# KiCad board slime88.kicad_pcb (continued)
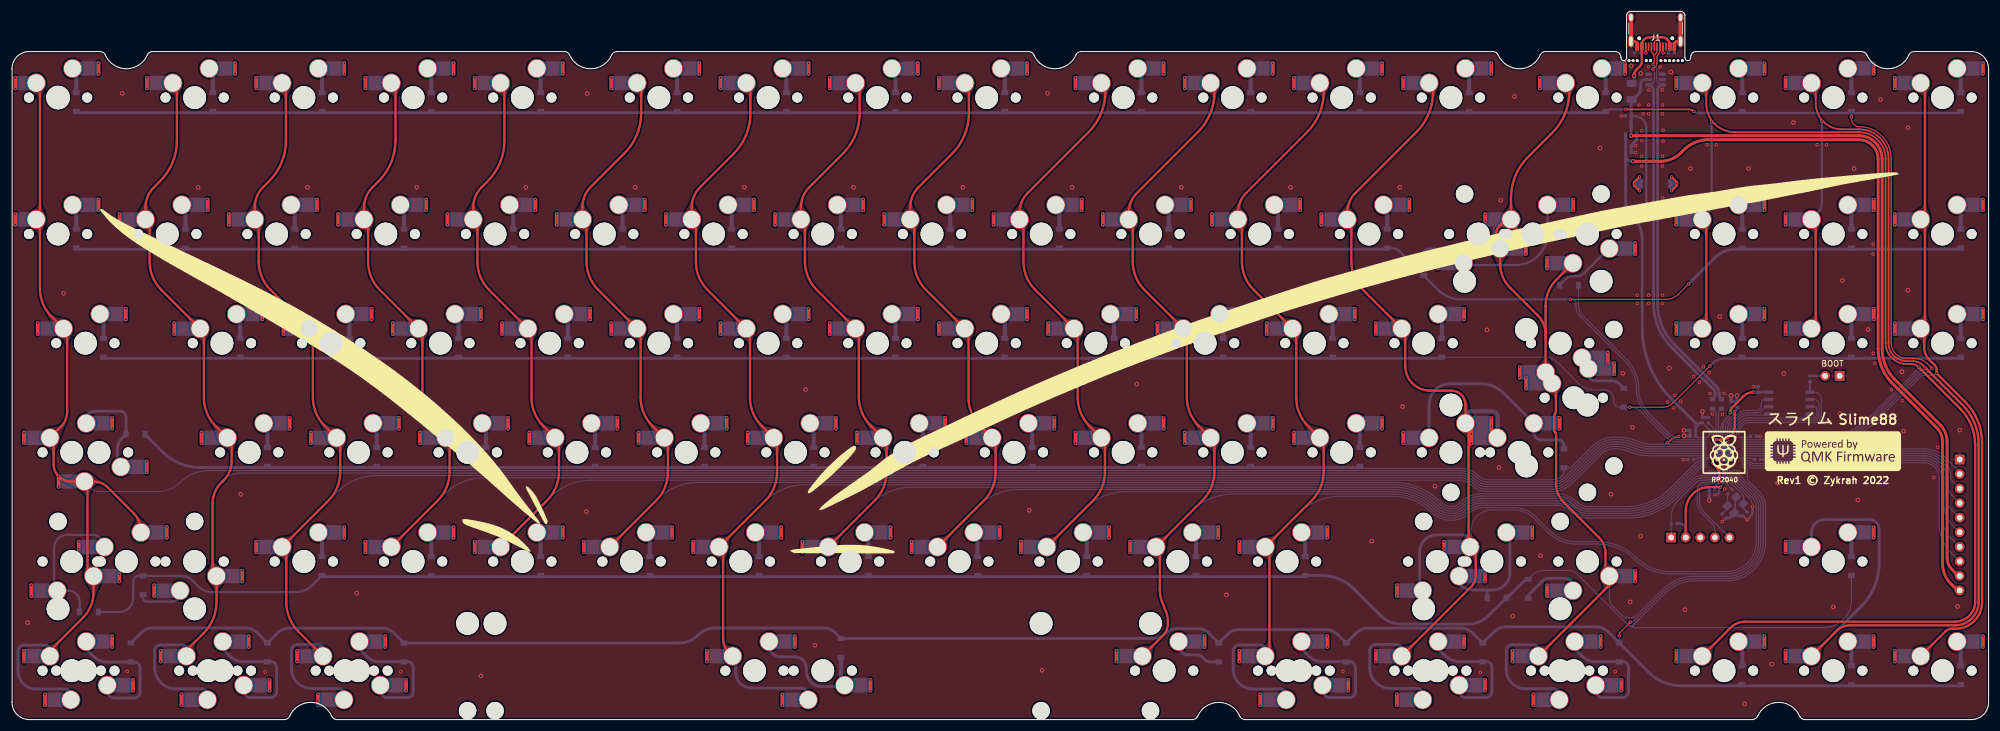
[diagram p0: board, top side]
## Routing (per net, layer and track width the routed paths; a pad name or vN(x,y) marks a point on that pad's centre or on a via; arc(x,y) is an arc through that point) (continued)
COL16: length 156.8
  Top w0.4: SW104.1 337.1,15.34 arc(337.65,15.71) 338.31,15.84 338.88,15.84 arc(342.17,17.2) 343.53,20.49 343.53,48.32 arc(342.77,52.17) 340.58,55.44 v1(335.62,60.4) 335.62,61.1 arc(335.55,61.48) 335.33,61.8 334.32,62.82 arc(333.67,63.78) 333.44,64.93 333.44,67.6 SW54.1 333.57,68.96 333.57,87.29 ; 333.57,87.29 333.57,110.33 SW17.1 ; 333.57,87.29 332.85,87.29 332.83,87.27
  Top w0.6: v1(328.31,112.02) v1(328.31,110.14) ; v1(328.31,69.16) v1(328.31,67.28) ; v1(328.31,88.2) v1(328.31,86.33) ; v1(328.31,12) v1(328.31,10.12)
  Bottom w0.2: U2.5 314.21,47.62 arc(320.09,48.79) 325.07,52.12 332.71,59.77 arc(333.05,59.99) 333.44,60.07 334.83,60.07 arc(335.26,60.16) v1(335.62,60.4)
CS: length 23.5
  Bottom w0.2: U2.56 301.14,50.45 arc(301.19,50.69) 301.32,50.9 301.84,51.42 arc(302.29,51.72) 302.81,51.82 314.28,51.82 arc(315.14,52.18) 315.5,53.05 315.5,55.93 arc(315.15,56.77) 314.31,57.12 U4.1
  Bottom w0.4: R5.2 313.5,58.93 U4.1
DBUS+: length 69.2
  Top w0.15: 286.38,114.9 286.38,115.08
  Top w0.2: J1.A6 286.88,116.69 arc(286.85,116.51) 286.77,116.35 286.58,116.16 arc(286.43,115.94) 286.38,115.69 ; J1.B6 285.88,116.71 arc(285.93,116.48) 286.06,116.28 286.19,116.15 arc(286.33,115.94) 286.38,115.69 ; 286.38,115.08 286.38,115.69 ; v1(286.13,114.31) arc(286.32,114.58) 286.38,114.9
  Bottom w0.2: U3.3 287.41,110.73 286.99,111.15 arc(286.85,111.35) 286.81,111.59 286.81,113.38 arc(286.75,113.66) 286.59,113.91 286.19,114.31 v1(286.13,114.31)
  Bottom w0.5: U3.3 287.5,110.73 287.24,110.46 arc(287.02,110.14) 286.94,109.75 286.94,72.61 arc(287.72,68.69) 289.94,65.37 297.23,58.09 arc(297.56,57.59) 297.67,57 297.67,56.74 arc(297.75,56.36) 297.97,56.04 R2.1
DBUS-: length 70
  Top w0.15: 286.84,114.9 286.84,115.08
  Top w0.2: 286.84,114.9 286.84,114.49 arc(286.77,114.18) 286.6,113.92 286.19,113.51 v1(286.13,113.51) ; J1.A7 286.38,118.09 arc(286.51,118.4) 286.82,118.53 286.93,118.53 arc(287.25,118.4) 287.38,118.08 J1.B7 287.38,116.89 arc(287.28,116.4) 287.01,115.99 arc(286.88,115.8) 286.84,115.57 286.84,115.08
  Bottom w0.2: U3.4 285.78,110.73 286.22,111.18 arc(286.35,111.37) 286.39,111.59 286.39,112.88 arc(286.33,113.22) v1(286.13,113.51)
  Bottom w0.5: R3.1 296.68,56.07 arc(296.9,56.39) 296.97,56.78 296.97,56.93 arc(296.9,57.32) 296.68,57.64 289.39,64.93 arc(287.06,68.42) 286.25,72.53 286.25,109.74 arc(286.17,110.13) 285.95,110.45 285.68,110.73 U3.4
GPIO4: length 39.5
  Bottom w0.2: J4.2 339.63,43.21 337.05,45.79 arc(335.46,46.85) 333.59,47.23 U2.6
GPIO5: length 41.3
  Bottom w0.2: J4.3 338.38,41.55 arc(338.15,41.9) 338.06,42.31 arc(336.74,45.5) 333.55,46.83 U2.7
GPIO6: length 43.3
  Bottom w0.2: U2.8 333.51,46.42 arc(336.45,45.21) 337.67,42.27 337.67,40.66 arc(337.84,39.8) 338.33,39.07 J4.4
GPIO7: length 45.3
  Bottom w0.2: J4.5 338.27,36.58 arc(337.53,37.7) 337.27,39.01 337.27,42.23 arc(336.15,44.91) 333.47,46.03 U2.9
GPIO8: length 47.7
  Bottom w0.2: U2.11 302.38,45.22 arc(302.88,45.13) 303.3,44.84 arc(303.49,44.71) 303.72,44.67 305.69,44.67 arc(305.93,44.72) 306.14,44.86 306.4,45.12 arc(306.96,45.49) 307.62,45.62 333.44,45.62 arc(335.86,44.62) 336.87,42.2 336.87,37.62 arc(337.26,35.61) 338.4,33.91 J4.6
GPIO9: length 49.8
  Bottom w0.2: J4.7 338.21,31.56 arc(336.92,33.5) 336.47,35.78 336.47,42.17 arc(335.57,44.33) 333.41,45.22 307.61,45.22 arc(307.14,45.13) 306.75,44.86 306.46,44.57 arc(306.12,44.35) 305.73,44.27 303.67,44.27 arc(303.33,44.34) 303.04,44.53 303.01,44.56 arc(302.72,44.76) 302.37,44.83 301.98,44.83
GPIO10: length 51.8
  Bottom w0.2: U2.13 302.36,44.43 arc(302.56,44.38) 302.73,44.27 302.77,44.23 arc(303.17,43.96) 303.65,43.87 305.75,43.87 arc(306.28,43.97) 306.73,44.27 307.05,44.59 arc(307.3,44.76) 307.59,44.82 333.39,44.82 arc(335.28,44.04) 336.06,42.15 336.06,34.07 arc(336.6,31.39) 338.12,29.11 J4.8
QSPI_CLK: length 9.2
  Bottom w0.2: U2.52 299.54,50.49 arc(299.71,51.34) 300.19,52.06 300.87,52.75 arc(301.73,53.32) 302.74,53.52 304.26,53.52 arc(304.64,53.6) 304.97,53.81 305.74,54.59 U4.6
ROW0: length 420.7
  Top w0.2: v1(320.77,105.2) 320.77,105.2 320.77,104.73 arc(321.21,103.83) 322.15,103.46 arc(326.06,101.84) 327.69,97.92 327.69,65.75 arc(328.48,63.83) 330.41,63.03 331.73,63.03 arc(332.97,62.78) 334.01,62.08 v1(334.78,61.31)
  Top w0.3: v1(281.4,106.48) 292.41,106.48 arc(292.87,106.39) v1(293.25,106.13)
  Bottom w0.2: 339.67,105.95 D17.1 ; D15.1 301.86,105.95 ; v1(334.78,61.31) 334.16,60.68 arc(333.96,60.55) 333.72,60.5 333.31,60.5 arc(332.91,60.42) 332.56,60.19 324.79,52.42 arc(319.93,49.17) 314.19,48.03 U2.4
  Bottom w0.4: v1(281.4,106.48) 278.7,106.48 arc(278.32,106.4) 277.99,106.18 D14.1 ; 339.67,105.95 339.57,105.85 301.96,105.85 301.86,105.95 ; D15.1 301.47,105.85 293.93,105.85 arc(293.57,105.92) v1(293.25,106.13)
  Bottom w0.5: 301.63,106.01 D15.1 ; D16.1 320.77,106.09 v1(320.77,105.2) ; D1.1 11.4,105.9 277.7,105.9 D14.1 277.99,106.01
ROW1: length 372.6
  Top w0.2: v1(271.75,73.33) 288.44,73.33 arc(289.59,73.56) 290.56,74.21 v1(292.4,76.04)
  Bottom w0.2: U2.41 290.56,48.83 arc(289.56,49.02) 288.72,49.59 285.13,53.17 arc(283.74,55.25) 283.25,57.7 arc(282.74,60.31) 281.26,62.53 273.53,70.26 arc(272.93,71.14) 272.73,72.19 272.73,72.55 arc(272.5,73.1) 271.95,73.33 v1(271.75,73.33)
  Bottom w0.4: v1(271.75,73.33) 252.57,73.33 arc(250.51,73.74) 248.76,74.9 D31.1 242.01,81.66 arc(241.32,82.12) 240.51,82.28 D30.1
  Bottom w0.5: D35.1 339.62,82.09 301.91,82.09 D33.1 301.52,82.09 300.61,82.09 arc(298.61,81.69) 296.91,80.55 v1(292.4,76.04) ; D30.1 239.61,82.09 11.39,82.09 D18.1
ROW2: length 346.9
  Top w0.2: v1(296.07,61.69) 289.57,55.18 arc(288.81,54.68) 287.92,54.5 v1(282.08,54.5)
  Bottom w0.2: D48.1 267.51,63.23 arc(268.5,63.04) 269.33,62.48 273.16,58.65 arc(274.39,57.83) 275.84,57.54 277.68,57.54 arc(278.84,57.06) 279.31,55.9 279.31,55.5 arc(279.61,54.79) 280.31,54.5 D49.1 v1(282.08,54.5) 282.39,54.5 arc(283.16,54.35) 283.81,53.91 288.43,49.29 arc(289.39,48.65) 290.52,48.42 U2.40
  Bottom w0.4: v1(296.07,61.69) 296.5,62.11 arc(297.47,62.76) 298.62,62.99 301.47,62.99 D50.1
  Bottom w0.5: D52.1 339.62,63.04 301.91,63.04 D50.1 ; D48.1 249.13,63.04 16.16,63.04 D36.1
ROW3: length 316.5
  Top w0.2: v1(288.65,48.34) 288.83,48.34 289.46,48.97 arc(289.86,49.21) 290.31,49.32 290.52,49.32 v1(290.62,49.43)
  Bottom w0.2: U2.39 289.54,48.03 ; 289.54,48.03 289.4,48.03 arc(288.99,48.11) v1(288.65,48.34) arc(288.3,48.11) 287.89,48.03 287.78,48.03 ; 289.54,48.03 287.78,48.03 ; 287.78,48.03 286.04,48.03 arc(285.07,48.11) 284.12,48.34 282.7,48.84 arc(281.42,49.16) 280.12,49.27 279.31,49.27 arc(277.3,48.87) 275.6,47.73 272.08,44.21 arc(271.76,44) 271.37,43.92 D65.1 270.62,43.18 arc(270.56,42.85) 270.37,42.56 arc(269.57,42.03) 268.62,41.84 257.36,41.84 arc(256.49,42.01) 255.74,42.51 arc(254.27,43.49) 252.54,43.84 235.38,43.84 D64.1 ; D32.1 273.16,72.22 arc(273.34,71.28) 273.87,70.49 281.53,62.83 arc(283.1,60.48) 283.66,57.7 arc(284.11,55.41) 285.41,53.46 288.97,49.9 arc(289.64,49.45) 290.43,49.3 290.5,49.3 v1(290.62,49.43)
  Bottom w0.5: 235.23,43.99 D64.1 234.84,43.99 44.73,43.99 D54.1 44.34,43.99 32.71,43.99 arc(29.27,44.67) 26.35,46.62 D53.1
ROW4: length 379
  Bottom w0.2: 282.71,16.3 282.71,16.35 arc(282.73,16.46) 282.79,16.55 283.73,17.49 ; 282.71,16.3 282.67,16.26 282.34,16.26 arc(282.04,16.34) 281.79,16.52 ; 282.71,16.3 arc(282.72,16.21) 282.77,16.15 282.8,16.11 arc(282.88,16.06) 282.98,16.04 283.17,16.04 ; D80.1 320.76,20.84 arc(320.4,19.02) 319.37,17.49 arc(317.77,16.41) 315.88,16.04 283.17,16.04 ; 281.64,16.67 281.79,16.52 ; 281.64,16.67 281.71,16.61 arc(282.28,16.37) 282.84,16.61 283.73,17.49 ; 281.64,16.67 272.97,25.34 arc(272.22,25.84) 271.34,26.02 266.98,26.02 arc(266.04,25.83) 265.24,25.3 D79.1 ; 281.79,16.52 arc(282.33,16.16) 282.96,16.04 283.17,16.04 ; 283.73,17.49 288.34,22.1 arc(290.67,23.66) 293.41,24.2 299.01,24.2 arc(303.79,26.18) 305.77,30.96 305.77,37.13 arc(305.48,38.57) 304.66,39.79 302.99,41.46 arc(302.71,41.89) 302.61,42.39 302.61,43.68 arc(302.5,43.92) 302.26,44.03 U2.14
  Bottom w0.4: D66.1 18.73,18.78 arc(20.42,19.48) 21.12,21.17 21.12,24.08 arc(21.42,24.78) 22.12,25.08 D67.1 29.54,25.08 arc(30.55,24.88) 31.41,24.3 32.56,23.16 arc(33.56,22.48) 34.75,22.25 49.43,22.25 arc(51.05,22.57) 52.41,23.48 D68.1
  Bottom w0.5: 54.01,25.08 D68.1 54.26,24.94 225.32,24.94 D77.1 228.41,25.13 arc(231.42,24.53) 233.98,22.82 238.68,18.12 arc(240.3,17.04) 242.22,16.66 253.92,16.66 arc(255.84,17.04) 257.46,18.12 D78.1 260.72,21.22 263.96,24.46 D79.1
ROW5: length 382.1
  Top w0.2: v1(282.2,17.01) 280.52,15.33 arc(280.35,15.06) 280.28,14.75 v1(280.28,14.65)
  Bottom w0.2: v1(280.28,14.65) 280.28,14.65 D88.1 ; U2.15 301.14,42.87 arc(301.16,42.76) 301.23,42.66 304.35,39.53 arc(305.1,38.41) 305.37,37.09 305.37,32.06 305.35,32.05 305.35,30.96 arc(303.49,26.46) 298.99,24.6 293.36,24.6 arc(290.5,24.03) 288.07,22.41 283,17.34 arc(282.63,17.1) v1(282.2,17.01)
  Bottom w0.5: D81.1 22.48,15.1 arc(23.45,15.75) 24.6,15.98 40.66,15.98 arc(41.81,15.75) 42.79,15.1 D82.1 46.27,15.08 arc(47.24,15.73) 48.39,15.96 64.5,15.96 arc(65.65,15.73) 66.62,15.08 D83.1 116.28,13.35 arc(118.07,13.71) 119.59,14.72 arc(120.98,15.65) 122.63,15.98 141.47,15.98 arc(142.62,15.75) 143.59,15.1 D84.1 198.85,14.14 arc(200.16,14.4) 201.27,15.15 201.28,15.15 arc(202.07,15.68) 203.01,15.87 206.89,15.87 arc(207.84,15.68) 208.64,15.14 D85.1 211.91,14.83 arc(212.88,15.48) 214.03,15.7 229.06,15.7 arc(230.21,15.48) 231.18,14.83 D86.1 234.39,15.08 arc(235.36,15.73) 236.51,15.96 252.62,15.96 arc(253.77,15.73) 254.74,15.08 D87.1 258.42,15.3 arc(259.39,15.95) 260.54,16.18 276.21,16.18 arc(277.36,15.95) 278.33,15.3 D88.1 285.4,8.23 arc(288,6.5) 291.06,5.89 301.52,5.89 D89.1 301.91,5.89 339.62,5.89 D91.1
SD0: length 8.2
  Bottom w0.2: U4.5 306.1,53.11 302.74,53.11 arc(301.88,52.94) 301.14,52.45 300.48,51.78 arc(300.08,51.18) 299.94,50.48 U2.53
SD1: length 20.1
  Bottom w0.2: U2.55 300.74,50.46 arc(300.82,50.85) 301.04,51.18 301.58,51.72 arc(302.14,52.1) 302.8,52.23 314.2,52.23 arc(314.84,52.49) 315.1,53.13 315.1,55.04 arc(314.86,55.62) 314.29,55.86 U4.2
SD2: length 18.6
  Bottom w0.2: U4.3 314.32,54.59 arc(314.59,54.47) 314.7,54.2 314.7,53.19 arc(314.54,52.8) 314.16,52.64 302.77,52.64 arc(301.99,52.48) 301.33,52.04 300.75,51.46 arc(300.44,51.01) 300.34,50.47 U2.54
SD3: length 10.7
  Bottom w0.2: U4.7 305.61,55.86 arc(305.21,55.69) 305.04,55.29 305.04,54.82 arc(304.79,54.2) 304.16,53.94 302.67,53.94 arc(301.58,53.72) 300.66,53.11 299.91,52.36 arc(299.34,51.5) 299.14,50.49 U2.51
SWCLK: length 15.5
  Bottom w0.2: J2.5 295.08,36.17 arc(294.47,37.08) 294.25,38.15 294.25,39.97 arc(294.55,40.67) 295.25,40.97 295.71,40.97 arc(297,41.5) 297.54,42.8 U2.24
SWD: length 14.6
  Bottom w0.2: J2.4 296.99,31.83 296.99,32.72 arc(296.82,33.61) 296.32,34.36 294.8,35.88 arc(294.1,36.92) 293.85,38.15 293.85,39.99 arc(294.26,40.96) 295.24,41.37 295.7,41.37 arc(296.72,41.79) 297.14,42.8 U2.25
XTAL_IN: length 8.4
  Bottom w0.2: C15.2 301.86,36.88 Y1.3 301.98,37.76 301.98,38.73 arc(301.93,39.02) 301.77,39.26 299.75,41.27 arc(299.3,41.95) 299.14,42.75 U2.20
XTAL_OUT: length 3.4
  Bottom w0.2: U2.21 298.74,42.52 arc(298.95,41.43) 299.57,40.5 R4.2
~{RESET}: length 15.4
  Bottom w0.2: J2.1 289.31,34.18 R1.2 289.32,35.21 arc(289.66,36.91) 290.62,38.35 293.64,41.37 arc(294.08,41.66) 294.6,41.77 295.7,41.77 arc(296.43,42.07) 296.74,42.81 U2.26
Net-(D1-Pad2): length 6.4
  Top w0.6: v1(15.08,114.56) v1(15.08,112.68)
  Bottom w0.7: D1.2 11.2,112.98 SW1.2
Net-(D2-Pad2): length 6.4
  Top w0.6: v1(38.89,114.56) v1(38.89,112.68)
  Bottom w0.7: SW2.2 35.01,112.98 D2.2
Net-(D3-Pad2): length 6.4
  Top w0.6: v1(57.95,114.56) v1(57.95,112.68)
  Bottom w0.7: SW3.2 54.06,112.98 D3.2
Net-(D4-Pad2): length 6.4
  Top w0.6: v1(77,114.56) v1(77,112.68)
  Bottom w0.7: SW4.2 73.11,112.98 D4.2
Net-(D5-Pad2): length 6.4
  Top w0.6: v1(96.05,114.56) v1(96.05,112.68)
  Bottom w0.7: D5.2 92.16,112.98 SW5.2
Net-(D6-Pad2): length 6.4
  Top w0.6: v1(119.86,114.56) v1(119.86,112.68)
  Bottom w0.7: 115.98,109.33 115.98,112.92 115.34,113.56
Net-(D7-Pad2): length 6.4
  Top w0.6: v1(138.91,114.56) v1(138.91,112.68)
  Bottom w0.7: 134.39,113.56 135.02,112.92 135.02,109.33
Net-(D8-Pad2): length 6.4
  Top w0.6: v1(157.96,114.56) v1(157.96,112.68)
  Bottom w0.7: 154.07,109.33 154.07,112.92 153.44,113.56
Net-(D9-Pad2): length 6.4
  Top w0.6: v1(177.01,114.56) v1(177.01,112.68)
  Bottom w0.7: 173.12,109.33 173.12,112.92 172.49,113.56
Net-(D10-Pad2): length 6.4
  Top w0.6: v1(200.82,114.56) v1(200.82,112.68)
  Bottom w0.7: 196.3,113.56 196.94,112.92 196.94,109.33
Net-(D11-Pad2): length 6.4
  Top w0.6: v1(219.87,114.56) v1(219.87,112.68)
  Bottom w0.7: 215.35,113.56 215.99,112.92 215.99,109.33
Net-(D12-Pad2): length 6.4
  Top w0.6: v1(238.92,114.56) v1(238.92,112.68)
  Bottom w0.7: 234.4,113.56 235.04,112.92 235.04,109.33
Net-(D13-Pad2): length 6.4
  Top w0.6: v1(257.97,114.56) v1(257.97,112.68)
  Bottom w0.7: 254.09,109.33 254.09,112.92 253.45,113.56
Net-(D14-Pad2): length 6.4
  Top w0.6: v1(281.29,114.56) v1(281.29,112.68)
  Bottom w0.7: SW14.2 277.9,112.98 D14.2
Net-(D15-Pad2): length 6.4
  Top w0.6: v1(305.6,114.56) v1(305.6,112.68)
  Bottom w0.7: 301.08,113.56 301.71,112.92 301.71,109.33
Net-(D16-Pad2): length 5.6
  Top w0.6: v1(324.65,113.83) v1(324.65,112.68)
  Bottom w0.7: 320.13,113.56 320.76,112.92 320.76,109.33
Net-(D17-Pad2): length 6.4
  Top w0.6: v1(343.69,114.56) v1(343.69,112.68)
  Bottom w0.7: 339.18,113.56 339.81,112.92 339.81,109.33
Net-(D18-Pad2): length 6.4
  Top w0.6: v1(15.08,90.75) v1(15.08,88.87)
  Bottom w0.7: 10.57,89.74 11.2,89.11 11.2,85.52
Net-(D19-Pad2): length 6.4
  Top w0.6: v1(34.13,90.75) v1(34.13,88.87)
  Bottom w0.7: 29.62,89.74 30.25,89.11 30.25,85.52
Net-(D20-Pad2): length 6.4
  Top w0.6: v1(53.18,90.75) v1(53.18,88.87)
  Bottom w0.7: 49.3,85.52 49.3,89.11 48.67,89.74
Net-(D21-Pad2): length 6.4
  Top w0.6: v1(72.23,90.75) v1(72.23,88.87)
  Bottom w0.7: 68.35,85.52 68.35,89.11 67.72,89.74
Net-(D22-Pad2): length 6.4
  Top w0.6: v1(91.28,90.75) v1(91.28,88.87)
  Bottom w0.7: 87.4,85.52 87.4,89.11 86.77,89.74
Net-(D23-Pad2): length 6.4
  Top w0.6: v1(110.33,90.75) v1(110.33,88.87)
  Bottom w0.7: 105.82,89.74 106.45,89.11 106.45,85.52
Net-(D24-Pad2): length 6.4
  Top w0.6: v1(129.38,90.75) v1(129.38,88.87)
  Bottom w0.7: 124.86,89.74 125.5,89.11 125.5,85.52
Net-(D25-Pad2): length 6.4
  Top w0.6: v1(148.43,90.75) v1(148.43,88.87)
  Bottom w0.7: 143.92,89.74 144.55,89.11 144.55,85.52
Net-(D26-Pad2): length 6.4
  Top w0.6: v1(167.48,90.75) v1(167.48,88.87)
  Bottom w0.7: 162.96,89.74 163.6,89.11 163.6,85.52
Net-(D27-Pad2): length 6.4
  Top w0.6: v1(186.53,90.75) v1(186.53,88.87)
  Bottom w0.7: 182.01,89.74 182.65,89.11 182.65,85.52
Net-(D28-Pad2): length 6.4
  Top w0.6: v1(205.58,90.75) v1(205.58,88.87)
  Bottom w0.7: 201.06,89.74 201.7,89.11 201.7,85.52
Net-(D29-Pad2): length 6.4
  Top w0.6: v1(224.63,90.75) v1(224.63,88.87)
  Bottom w0.7: 220.75,85.52 220.75,89.11 220.12,89.74
Net-(D30-Pad2): length 6.4
  Top w0.6: v1(243.68,90.75) v1(243.68,88.87)
  Bottom w0.7: SW30.2 239.8,89.17 D30.2
Net-(D31-Pad2): length 36.2
  Top w0.6: v1(248.62,78.7) v1(248.62,80.59) ; v1(272.26,90.75) v1(272.26,88.87)
  Bottom w0.4: SW32.2 267.77,89.78 267.77,84.86 arc(266.14,80.93) 262.21,79.31 253.47,79.31 SW31.2 253.13,80.87 252.38,81.62 arc(251.79,82.02) 251.09,82.16 247.15,82.16 arc(246.44,81.86) 246.15,81.16 D31.2
Net-(D32-Pad2): length 13.1
  Top w0.6: v1(283.05,81.25) v1(283.05,83.12)
  Bottom w0.4: SW33.1 278.43,82.19 274.09,77.84 arc(273.54,77.48) 272.9,77.35 272.02,77.35 arc(271.46,77.24) 270.99,76.92 D32.2
Net-(D33-Pad2): length 6.4
  Top w0.6: v1(305.6,90.75) v1(305.6,88.87)
  Bottom w0.7: 301.08,89.74 301.71,89.11 301.71,85.52
Net-(D34-Pad2): length 6.4
  Top w0.6: v1(324.65,90.75) v1(324.65,88.87)
  Bottom w0.7: 320.13,89.74 320.76,89.11 320.76,85.52
Net-(D35-Pad2): length 6.4
  Top w0.6: v1(343.69,90.75) v1(343.69,88.87)
  Bottom w0.7: 339.81,85.52 339.81,89.11 339.18,89.74
Net-(D36-Pad2): length 6.4
  Top w0.6: v1(19.85,71.7) v1(19.85,69.81)
  Bottom w0.7: 15.33,70.76 15.96,70.12 D36.2
Net-(D37-Pad2): length 6.4
  Top w0.6: v1(43.66,71.7) v1(43.66,69.81)
  Bottom w0.7: 39.78,66.47 39.78,70.06 39.14,70.69
Net-(D38-Pad2): length 6.5
  Top w0.6: v1(62.71,71.7) v1(62.71,69.81)
  Bottom w0.7: 58.19,70.69 58.19,70.76 58.83,70.12 58.83,66.47
Net-(D39-Pad2): length 6.4
  Top w0.6: v1(81.76,71.7) v1(81.76,69.81)
  Bottom w0.7: 77.24,70.69 77.88,70.06 77.88,66.47
Net-(D40-Pad2): length 6.4
  Top w0.6: v1(100.81,71.7) v1(100.81,69.81)
  Bottom w0.7: 96.92,66.47 96.92,70.06 96.29,70.69
Net-(D41-Pad2): length 6.4
  Top w0.6: v1(119.86,71.7) v1(119.86,69.81)
  Bottom w0.7: 115.34,70.69 115.98,70.06 115.98,66.47
Net-(D42-Pad2): length 6.4
  Top w0.6: v1(138.91,71.7) v1(138.91,69.81)
  Bottom w0.7: 135.02,66.47 135.02,70.06 134.39,70.69
Net-(D43-Pad2): length 6.4
  Top w0.6: v1(157.96,71.7) v1(157.96,69.81)
  Bottom w0.7: 154.07,66.47 154.07,70.06 153.44,70.69
Net-(D44-Pad2): length 6.4
  Top w0.6: v1(177.01,71.7) v1(177.01,69.81)
  Bottom w0.7: 172.49,70.69 173.12,70.06 173.12,66.47
Net-(D45-Pad2): length 6.4
  Top w0.6: v1(196.06,71.7) v1(196.06,69.81)
  Bottom w0.7: 191.54,70.69 192.18,70.06 192.18,66.47
Net-(D46-Pad2): length 6.4
  Top w0.6: v1(215.11,71.7) v1(215.11,69.81)
  Bottom w0.7: 210.59,70.69 211.23,70.06 211.23,66.47
Net-(D47-Pad2): length 6.4
  Top w0.6: v1(234.16,71.7) v1(234.16,69.81)
  Bottom w0.7: 229.64,70.69 230.28,70.06 230.28,66.47
Net-(D48-Pad2): length 6.4
  Top w0.6: v1(253.21,71.7) v1(253.21,69.81)
  Bottom w0.7: 248.69,70.69 249.32,70.06 249.32,66.47
Net-(D49-Pad2): length 14.4
  Top w0.6: v1(278.29,62.2) v1(278.29,64.08) ; v1(279.4,62.17) v1(279.4,60.29)
  Bottom w0.5: D49.2 280.37,58.51 arc(279.69,58.96) 278.9,59.12 276.15,59.12 arc(275.58,59.23) 275.1,59.55 274.88,59.77 SW51.2
  Bottom w0.7: SW51.2 273.77,62.34 273.77,63.14
Net-(D50-Pad2): length 6.4
  Top w0.6: v1(305.6,71.7) v1(305.6,69.81)
  Bottom w0.7: 301.08,70.69 301.71,70.06 301.71,66.47
Net-(D51-Pad2): length 6.4
  Top w0.6: v1(324.65,71.7) v1(324.65,69.81)
  Bottom w0.7: 320.76,66.47 320.76,70.06 320.13,70.69
Net-(D52-Pad2): length 6.4
  Top w0.6: v1(343.69,71.7) v1(343.69,69.81)
  Bottom w0.7: 339.18,70.69 339.81,70.06 339.81,66.47
Net-(D53-Pad2): length 22.3
  Top w0.6: v1(17.46,52.65) v1(17.46,50.77) ; v1(23.49,43.15) v1(23.49,45.03)
  Bottom w0.5: SW55.2 12.95,52.96 13.34,53.36 arc(13.84,53.69) 14.43,53.81 18.87,53.81 arc(19.58,53.51) 19.87,52.81 D53.2 19.2,49.13 arc(18.57,48.18) 18.34,47.06 18.34,44.72 SW56.1
Net-(D54-Pad2): length 6.4
  Top w0.6: v1(48.42,52.65) v1(48.42,50.77)
  Bottom w0.7: 44.54,47.42 44.54,51.01 43.9,51.64
Net-(D55-Pad2): length 6.4
  Top w0.6: v1(67.47,52.65) v1(67.47,50.77)
  Bottom w0.7: 63.59,47.42 63.59,51.01 62.95,51.64
Net-(D56-Pad2): length 6.4
  Top w0.6: v1(86.52,52.65) v1(86.52,50.77)
  Bottom w0.7: 82,51.64 82.64,51.01 82.64,47.42
Net-(D57-Pad2): length 6.4
  Top w0.6: v1(105.57,52.65) v1(105.57,50.77)
  Bottom w0.7: 101.69,47.42 101.69,51.01 101.05,51.64
Net-(D58-Pad2): length 6.4
  Top w0.6: v1(124.62,52.65) v1(124.62,50.77)
  Bottom w0.7: 120.74,47.42 120.74,51.01 120.1,51.64
Net-(D59-Pad2): length 6.4
  Top w0.6: v1(143.67,52.65) v1(143.67,50.77)
  Bottom w0.7: 139.79,47.42 139.79,51.01 139.15,51.64
Net-(D60-Pad2): length 6.4
  Top w0.6: v1(162.72,52.65) v1(162.72,50.77)
  Bottom w0.7: 158.84,47.42 158.84,51.01 158.2,51.64
Net-(D61-Pad2): length 6.4
  Top w0.6: v1(181.77,52.65) v1(181.77,50.77)
  Bottom w0.7: 177.89,47.42 177.89,51.01 177.25,51.64
Net-(D62-Pad2): length 6.4
  Top w0.6: v1(200.82,52.65) v1(200.82,50.77)
  Bottom w0.7: 196.3,51.64 196.94,51.01 196.94,47.42
Net-(D63-Pad2): length 6.4
  Top w0.6: v1(219.87,52.65) v1(219.87,50.77)
  Bottom w0.7: 215.99,47.42 215.99,51.01 215.35,51.64
Net-(D64-Pad2): length 6.4
  Top w0.6: v1(238.92,52.65) v1(238.92,50.77)
  Bottom w0.7: 235.04,47.42 235.04,51.01 234.4,51.64
Net-(D65-Pad2): length 41.2
  Top w0.6: v1(269.88,52.65) v1(269.88,50.77) ; v1(242.59,50.11) v1(242.59,48.23)
  Bottom w0.5: SW68.1 247.1,54.91 arc(248.19,57.52) 250.8,58.61 256.01,58.61 arc(258.27,58.16) 260.18,56.88 SW69.2 265.36,50.12 arc(265.75,49.18) 266.69,48.79 269.62,48.79 arc(270.33,48.49) 270.62,47.79 D65.2
Net-(D66-Pad2): length 29
  Top w0.6: v1(11.61,31.06) v1(11.61,29.82) ; v1(3.35,21.56) v1(3.35,23.44)
  Bottom w0.4: SW71.1 16.12,30.88 15.25,31.75 arc(14.72,32.1) 14.1,32.23 9.6,32.23 arc(7.99,31.56) 7.33,29.95 7.33,23.04 SW70.2 9.86,22.5 arc(11.21,21.93) 11.78,20.58 D66.2
Net-(D67-Pad2): length 10.7
  Top w0.6: v1(24.78,21.56) v1(24.78,23.44)
  Bottom w0.4: SW72.2 29.3,21.38 28.93,21.01 arc(28.45,20.69) 27.88,20.58 23.49,20.58 arc(23.01,20.78) 22.8,21.26 D67.2
Net-(D68-Pad2): length 6.4
  Top w0.6: v1(57.95,33.59) v1(57.95,31.72)
  Bottom w0.7: 53.43,32.59 54.06,31.96 54.06,28.37
Net-(D69-Pad2): length 6.4
  Top w0.6: v1(77,33.59) v1(77,31.72)
  Bottom w0.7: 72.48,32.59 73.11,31.96 73.11,28.37
Net-(D70-Pad2): length 6.4
  Top w0.6: v1(96.05,33.59) v1(96.05,31.72)
  Bottom w0.7: 91.53,32.59 92.16,31.96 92.16,28.37
Net-(D71-Pad2): length 6.4
  Top w0.6: v1(115.1,33.59) v1(115.1,31.72)
  Bottom w0.7: 110.58,32.59 111.21,31.96 111.21,28.37
Net-(D72-Pad2): length 6.4
  Top w0.6: v1(134.14,33.59) v1(134.14,31.72)
  Bottom w0.7: 130.26,28.37 130.26,31.96 129.63,32.59
Net-(D73-Pad2): length 6.4
  Top w0.6: v1(153.19,33.59) v1(153.19,31.72)
  Bottom w0.7: 149.31,28.37 149.31,31.96 148.68,32.59
Net-(D74-Pad2): length 6.4
  Top w0.6: v1(172.25,33.59) v1(172.25,31.72)
  Bottom w0.7: 167.73,32.59 168.36,31.96 168.36,28.37
Net-(D75-Pad2): length 6.4
  Top w0.6: v1(191.3,33.59) v1(191.3,31.72)
  Bottom w0.7: 186.78,32.59 187.41,31.96 187.41,28.37
Net-(D76-Pad2): length 6.4
  Top w0.6: v1(210.35,33.59) v1(210.35,31.72)
  Bottom w0.7: 206.46,28.37 206.46,31.96 205.83,32.59
Net-(D77-Pad2): length 6.4
  Top w0.6: v1(229.4,33.59) v1(229.4,31.72)
  Bottom w0.7: 224.88,32.59 225.51,31.96 225.51,28.37
Net-(D78-Pad2): length 24.1
  Top w0.6: v1(265.11,33.59) v1(265.11,31.72) ; v1(256.85,24.09) v1(256.85,25.33)
  Bottom w0.5: 257.26,22.6 D78.2 ; 257.26,22.6 254.77,22.6 arc(253.46,22.87) 252.34,23.61 SW83.1 ; 257.26,22.6 258.19,22.6 arc(260.32,23.48) 261.19,25.6 261.19,32.06 SW84.2
Net-(D79-Pad2): length 13
  Top w0.6: v1(267.67,21.56) v1(267.67,23.44)
  Bottom w0.5: D79.2 264.41,21.69 266.99,24.27 arc(267.41,24.55) 267.9,24.65 270.85,24.65 arc(271.34,24.55) 271.77,24.27 272.19,23.85 SW85.2
Net-(D80-Pad2): length 6.4
  Top w0.6: v1(324.65,33.59) v1(324.65,31.72)
  Bottom w0.7: D80.2 320.76,32.02 SW86.2
Net-(D81-Pad2): length 28.1
  Top w0.6: v1(21.11,5.05) v1(21.11,6.93) ; v1(17.46,14.55) v1(17.46,12.66)
  Bottom w0.5: SW88.1 16.6,4.53 17.07,4.06 arc(17.4,3.84) 17.78,3.77 21.33,3.77 arc(22.03,4.06) 22.33,4.77 22.33,9.05 arc(22.03,9.76) 21.33,10.05 D81.2 16.56,10.05 arc(15.28,10.31) 14.19,11.03 12.95,12.28 12.95,13.6
Net-(D82-Pad2): length 28.1
  Top w0.6: v1(41.28,14.55) v1(41.28,12.66) ; v1(44.92,5.05) v1(44.92,6.93)
  Bottom w0.5: 40.41,6.05 40.41,4.6 40.88,4.12 arc(41.21,3.91) 41.59,3.83 45.14,3.83 arc(45.84,4.12) 46.14,4.83 46.14,9.11 arc(45.84,9.82) 45.14,10.11 40.36,10.11 arc(39.09,10.36) 38.01,11.08 36.76,12.34 36.76,13.67
Net-(D83-Pad2): length 28.1
  Top w0.6: v1(65.09,14.55) v1(65.09,12.66) ; v1(68.73,5.05) v1(68.73,6.93)
  Bottom w0.5: 64.22,6.05 64.22,4.6 64.7,4.12 arc(65.02,3.91) 65.4,3.83 68.95,3.83 arc(69.66,4.12) 69.95,4.83 69.95,9.11 arc(69.66,9.82) 68.95,10.11 63.97,10.11 arc(62.89,10.33) 61.97,10.94 60.57,12.34 60.57,13.67
Net-(D84-Pad2): length 27.2
  Top w0.6: v1(149.7,5.05) v1(149.7,6.93) ; v1(136.53,14.55) v1(136.53,12.66)
  Bottom w0.5: 132.01,13.6 132.01,12.12 132.6,11.53 arc(133.26,11.09) 134.03,10.94 136.51,10.94 arc(137.93,10.35) 138.51,8.93 138.51,8.44 arc(139.31,6.53) 141.21,5.74 144.94,5.74 SW94.1 144.55,6.62
  Bottom w0.7: 144.55,6.62 D84.2
Net-(D85-Pad2): length 11
  Top w0.6: v1(207.96,14.55) v1(207.96,12.66)
  Bottom w0.5: D85.2 208.83,10.05 arc(208.45,10.13) 208.13,10.34 207.63,10.84 arc(207.13,11.18) 206.53,11.3 204.97,11.3 arc(204.43,11.41) 203.97,11.71 203.45,12.24 203.45,13.6
Net-(D86-Pad2): length 28.1
  Top w0.6: v1(229.4,14.55) v1(229.4,12.66) ; v1(233.04,5.05) v1(233.04,6.93)
  Bottom w0.5: 228.53,6.05 228.53,4.6 229,4.12 arc(229.33,3.91) 229.71,3.83 233.26,3.83 arc(233.96,4.12) 234.26,4.83 234.26,9.11 arc(233.96,9.82) 233.26,10.11 228.47,10.11 arc(227.21,10.36) 226.14,11.08 224.88,12.34 224.88,13.67
Net-(D87-Pad2): length 28.1
  Top w0.6: v1(256.85,5.05) v1(256.85,6.93) ; v1(253.21,14.55) v1(253.21,12.66)
  Bottom w0.5: 252.34,6.05 252.34,4.6 252.82,4.12 arc(253.14,3.91) 253.52,3.83 257.07,3.83 arc(257.78,4.12) 258.07,4.83 258.07,9.11 arc(257.78,9.82) 257.07,10.11 252.49,10.11 arc(251.04,10.4) 249.8,11.23 248.69,12.34 248.69,13.67